# Altium PCB PCB1.PcbDoc (part 2 of 2)
Units mm, origin at the board's own origin, x right, y up, seen from the top; angles counter-clockwise.
Board outline 140.5 x 40 mm, 2 copper layers (Top Layer, Bottom Layer); 133 components, 92 nets, 449 pads, 230 vias.
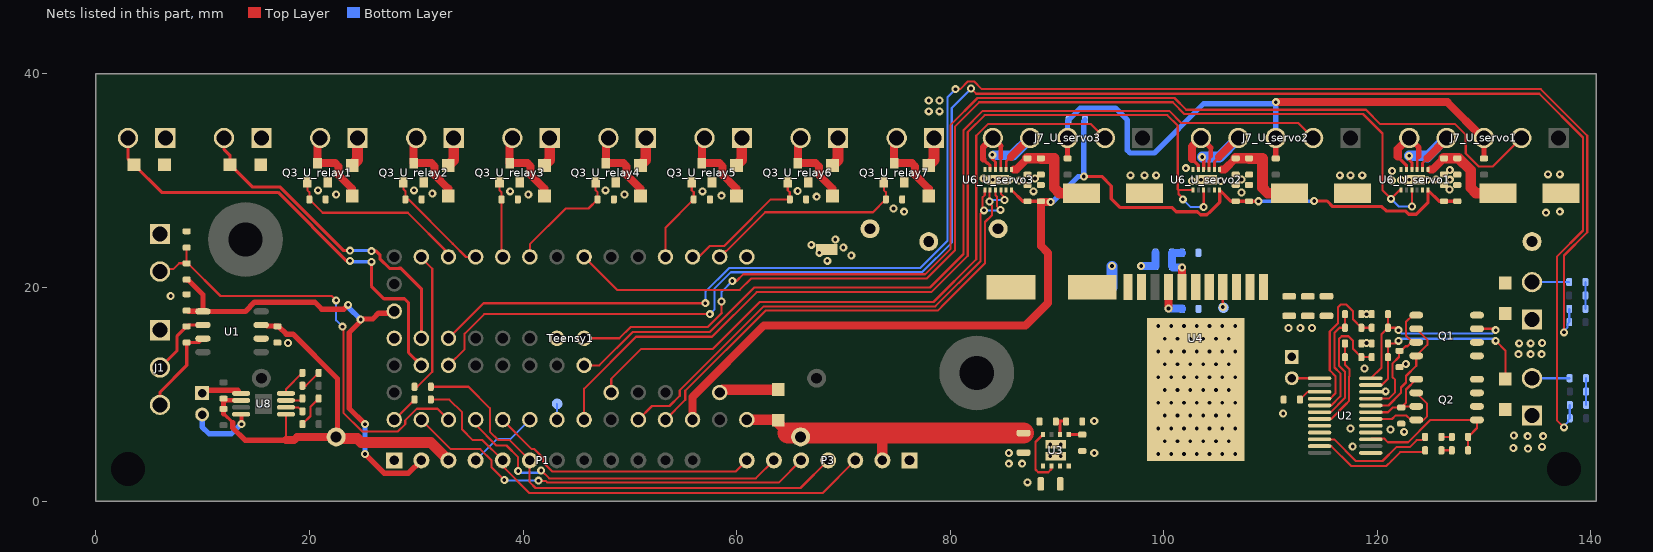
[diagram p2: the nets of this part, all layers, seen from the top]

## Via types
v1: diameter 0.75, hole 0.35, Top Layer to Bottom Layer, tented both sides, 226 vias
v2: diameter 0.7, hole 0.35, Top Layer to Bottom Layer, 4 vias

## Nets (pads, with @x,y where several pads share a name; then routed paths per layer and width w, separated by ;. In a path a pad name is that pad's centre, name@x,y a point inside that pad or via, vN(x,y) a via of type N, cw(c..) or ccw(c..) an arc to the next point about the centre after c; other vN are vias at no path point) (continued)
clutch_motor_a3: Teensy1.23/A9 U6_U_servo3.8 U6_U_servo3.10 | length 46.5
  Top Layer w0.2: Teensy1.23/A9@53.34,7.62 55.2,9.48 55.2,10.325 62.709,17.834 78.834,17.834 79.525,18.525 83.275,22.275 83.275,26.125 83.925,26.775 83.925,27.662 83.619,27.969 83.544,28.044 83.55,28.05 v1(83.7,28.05) 83.7,29.078 U6_U_servo3.8@83.75,29.128 ; U6_U_servo3.10@84.75,29.128 84.75,28.775 85.1,28.425 v1(85.1,28.2)
  Bottom Layer w0.2: v1(83.7,28.05) 83.85,28.2 v1(85.1,28.2)
clutch_motor_b1: Teensy1.5 U6_U_servo1.7 U6_U_servo1.9 | length 102.9
  Top Layer w0.2: Teensy1.5@45.72,22.86 48.805,19.775 60.294,19.775 61.36,20.841 77.829,20.841 80.45,23.463 80.45,35.059 82.732,37.341 100.846,37.341 101.938,36.25 118.675,36.25 120.5,34.425 120.5,29.1 v1(121.3,28.3) 122.128,29.128 U6_U_servo1.7@122.25,29.128 ; U6_U_servo1.9@123.25,29.128 123.256,29.122 v1(123.256,27.576)
  Bottom Layer w0.2: v1(121.3,28.3) 122.024,27.576 v1(123.256,27.576)
clutch_motor_b2: Teensy1.20/A6 U6_U_servo2.7 U6_U_servo2.9 | length 88.6
  Top Layer w0.2: Teensy1.20/A6@45.72,7.62 45.72,10.518 50.585,15.384 57.702,15.384 61.877,19.559 78.243,19.559 81.65,22.966 81.65,34.562 83.229,36.141 100.349,36.141 101.316,35.174 101.316,29.202 101.394,29.125 ; v1(101.8,28.25) 101.8,28.349 101.394,28.755 101.394,29.125 ; U6_U_servo2.7@102.75,29.128 101.397,29.128 101.394,29.125 ; U6_U_servo2.9@103.75,29.128 103.755,29.123 v1(103.755,27.526)
  Bottom Layer w0.2: v1(101.8,28.25) 102.524,27.526 v1(103.755,27.526)
clutch_motor_b3: Teensy1.22/A8 U6_U_servo3.7 U6_U_servo3.9 | length 49.1
  Top Layer w0.2: Teensy1.22/A8@50.8,7.62 52.08,8.9 53.725,8.9 54.675,9.85 54.675,10.366 62.543,18.234 78.615,18.234 82.85,22.469 82.85,26.9 v1(83.175,27.225) 83.025,27.375 83.025,28.425 83.25,28.65 U6_U_servo3.7@83.25,29.128 ; U6_U_servo3.9@84.25,29.128 84.25,28.637 84.377,28.51 84.377,27.623 v1(84.725,27.275)
  Bottom Layer w0.2: v1(83.175,27.225) 84.675,27.225 v1(84.725,27.275)
clutch_pot1: J7_U_servo1.2 Teensy1.A12 | length 109.9
  Top Layer w0.2: Teensy1.A12@45.72,15.24 49.015,15.24 50.08,16.305 57.305,16.305 58.613,17.612 58.6,17.625 v1(58.6,18.675) ; v1(59.6,20.6) 60,20.6 60.641,21.241 77.663,21.241 80.05,23.628 80.05,35.225 82.566,37.741 101.012,37.741 102.103,36.65 118.95,36.65 120.3,35.3 127.3,35.3 128.3,34.3 128.3,32.55 129.525,31.325 130.825,31.325 J7_U_servo1.2@133.5,34
  Bottom Layer w0.2: v1(58.6,18.675) 58.6,19.6 v1(59.6,20.6)
clutch_pot2: J7_U_servo2.2 Teensy1.A13 | length 86
  Top Layer w0.2: Teensy1.A13@45.72,12.7 47.15,12.7 50.275,15.825 57.475,15.825 61.65,20 78.119,20 81.25,23.131 81.25,34.728 83.063,36.541 100.515,36.541 101.656,35.4 112.6,35.4 J7_U_servo2.2@114,34
clutch_pot3: J7_U_servo3.2 Teensy1.A11 | length 64.7
  Top Layer w0.2: Teensy1.A11@48.26,10.16 48.26,11.435 51.075,14.25 57.8,14.25 62.184,18.634 78.449,18.634 82.45,22.634 82.45,34.218 83.532,35.3 93.2,35.3 J7_U_servo3.2@94.5,34
clutch_servo_en: JU5.1 JU5.2 Teensy1.19/A5 U4.4 | length 3.5
  Top Layer w0.2: v1(105.54,18.16) U4.4@105.54,20.04
  Bottom Layer w0.2: Teensy1.19/A5@43.18,7.62 43.18,9.08 JU5.2@43.2,9.1 ; v1(105.54,18.16) JU5.1@105.6,18.1
ext_ap_disc: C20.2 J8.2 R27.1 Teensy1.15/A1 | length 42.6
  Top Layer w0.2: J8.2@6,21.5 6.213,21.713 7.25,21.713 7.799,22.262 R27.1@8.5,22.262 ; C20.2@8.5,23.738 R27.1@8.5,22.262 ; v1(22.5,18.8) 22.1,19.2 11.664,19.2 8.602,22.262 R27.1@8.5,22.262 ; v1(23.101,16.326) 23.175,16.252 23.175,8.27 24.92,6.525 28.293,6.525 28.966,7.198 28.966,7.554 30.056,8.644 31.996,8.644 Teensy1.15/A1@33.02,7.62
  Bottom Layer w0.2: v1(22.5,18.8) 22.5,16.927 v1(23.101,16.326)
ext_ps_en1: D1_U_external_ps_en1.2 J2_U_external_ps_en1.2 Teensy1.28 | length 30.3
  Top Layer w0.3: J2_U_external_ps_en1.2@12,34 12,32.916 12.57,32.346 D1_U_external_ps_en1.2@12.57,31.5 14.67,29.4 17.267,29.4 23.216,23.451 v1(23.801,23.451) ; v1(25.8,23.4) 26.256,23.4 26.6,23.056 26.6,22.681 27.495,21.786 28.385,21.786 28.397,21.799 28.553,21.799 30.48,19.871 Teensy1.28@30.48,15.24
  Bottom Layer w0.3: v1(23.801,23.451) 25.749,23.451 v1(25.8,23.4)
ext_ps_en2: D1_U_external_ps_en2.2 J2_U_external_ps_en2.2 Teensy1.29 | length 41.5
  Top Layer w0.3: J2_U_external_ps_en2.2@3,34 3,32.07 D1_U_external_ps_en2.2@3.57,31.5 6.17,28.9 17.06,28.9 23.463,22.498 v1(23.8,22.498) ; v1(25.8,22.4) 25.8,20.125 26.975,18.95 28.9,18.95 29.275,18.575 29.275,13.905 Teensy1.29@30.48,12.7
  Bottom Layer w0.3: v1(23.8,22.498) 23.898,22.4 v1(25.8,22.4)
G1: Q1.2 Q1.4 U2.20 | length 10.8
  Top Layer w0.2: U2.20@119.4,8.952 121.053,8.952 122.227,10.127 122.227,10.627 122.7,11.1 122.7,11.704 123.655,12.659 Q1.4@123.655,13.595 124.7,14.64 124.7,15.09 Q1.2@123.655,16.135
G2: Q2.2 Q2.4 U2.18 | length 8.3
  Top Layer w0.2: U2.18@119.4,7.682 121.383,7.682 121.7,8 122.75,8 123.155,7.595 Q2.4@123.655,7.595 124.345,7.595 124.675,7.925 124.675,9.115 Q2.2@123.655,10.135
GND: C1.1 C2.1 C20.1 D1_U_external_ps_en1.1 D1_U_external_ps_en2.1 J1.1 J2_U_external_ps_en1.1 J2_U_external_ps_en2.1 J8.1 NT1.1 P1.1 P3.1 Teensy1.GND Teensy1.GND1 Teensy1.GND2 U1.2 | length 0.3
  Top Layer w0.8: Teensy1.GND@60.96,22.86 Teensy1.GND@61.1,23
  Top Layer w1: Teensy1.GND@60.96,22.86 Teensy1.GND@61.02,22.8
  other v1: 18,14.8 7,19.2 68.5,22.5 67.75,23.25 67,24
led_driver_le: P1.4 Teensy1.18/A4 | length 6.7
  Bottom Layer w0.2: P1.4@35.56,3.81 37.55,5.8 38.82,5.8 Teensy1.18/A4@40.64,7.62
mosi: P1.6 P3.4 R20.1 | length 44.7
  Top Layer w0.2: R20.1@31.362,10.7 34.9,10.7 36.9,8.7 36.9,6.5 37.7,5.7 38.75,5.7 P1.6@40.64,3.81 40.625,3.795 40.625,1.765 41.165,1.225 65.995,1.225 P3.4@68.58,3.81
NetC10_2: C10.2 U3.1 | length 1.3
  Top Layer w0.3: U3.1@91.1,6.225 92.362,6.225 C10.2@92.375,6.212
NetC13_2: C13.2 U4.8 | length 3.3
  Top Layer w0.75: v1(100.46,18.04) U4.8@100.46,20.04
  Bottom Layer w0.75: v1(100.46,18.04) 101.698,18.04 C13.2@101.738,18
NetC21_2: C21.2 R28.1 | length 2
  Top Layer w0.2: C21.2@19.338,10.8 19.662,10.8 R28.1@20.862,12
NetC23_2: C23.2 R29.1 | length 3
  Top Layer w0.2: C23.2@19.338,7.2 20.1,7.962 20.1,8.838 R29.1@20.862,9.6
NetC37_1: C37.1 U8.2 | length 1.7
  Top Layer w0.2: U8.2@17.8,8.775 18.963,8.775 C37.1@19.338,8.4
NetC43_1: C43.1 R17.1 R18.2 U4.7 | length 5.1
  Top Layer w0.75: U4.7@101.73,20.04 v1(101.73,21.87)
  Bottom Layer w0.75: R18.2@101.726,23.25 R17.1@100.762,23.25 C43.1@100.762,22 100.892,21.87 v1(101.73,21.87)
NetD4_U_relay1_1: D4_U_relay1.1 J6_U_relay1.2 Q3_U_relay1.2 | length 7.7
  Top Layer w0.75: J6_U_relay1.2@21,33.814 20.75,33.564 Q3_U_relay1.2@20.75,31.635 22.415,31.635 22.7,31.35 22.7,30.55 24,29.25 D4_U_relay1.1@24,28.57
NetD4_U_relay2_1: D4_U_relay2.1 J6_U_relay2.2 Q3_U_relay2.2 | length 7.7
  Top Layer w0.75: J6_U_relay2.2@30,33.814 29.75,33.564 Q3_U_relay2.2@29.75,31.635 31.415,31.635 31.7,31.35 31.7,30.55 33,29.25 D4_U_relay2.1@33,28.57
NetD4_U_relay3_1: D4_U_relay3.1 J6_U_relay3.2 Q3_U_relay3.2 | length 7.7
  Top Layer w0.75: J6_U_relay3.2@39,33.814 38.75,33.564 Q3_U_relay3.2@38.75,31.635 40.415,31.635 40.7,31.35 40.7,30.55 42,29.25 D4_U_relay3.1@42,28.57
NetD4_U_relay4_1: D4_U_relay4.1 J6_U_relay4.2 Q3_U_relay4.2 | length 7.7
  Top Layer w0.75: J6_U_relay4.2@48,33.814 47.75,33.564 Q3_U_relay4.2@47.75,31.635 49.415,31.635 49.7,31.35 49.7,30.55 51,29.25 D4_U_relay4.1@51,28.57
NetD4_U_relay5_1: D4_U_relay5.1 J6_U_relay5.2 Q3_U_relay5.2 | length 7.7
  Top Layer w0.75: J6_U_relay5.2@57,33.814 56.75,33.564 Q3_U_relay5.2@56.75,31.635 58.415,31.635 58.7,31.35 58.7,30.55 60,29.25 D4_U_relay5.1@60,28.57
NetD4_U_relay6_1: D4_U_relay6.1 J6_U_relay6.2 Q3_U_relay6.2 | length 7.7
  Top Layer w0.75: J6_U_relay6.2@66,33.814 65.75,33.564 Q3_U_relay6.2@65.75,31.635 67.415,31.635 67.7,31.35 67.7,30.55 69,29.25 D4_U_relay6.1@69,28.57
NetD4_U_relay7_1: D4_U_relay7.1 J6_U_relay7.2 Q3_U_relay7.2 | length 7.7
  Top Layer w0.75: J6_U_relay7.2@75,33.814 74.75,33.564 Q3_U_relay7.2@74.75,31.635 76.415,31.635 76.7,31.35 76.7,30.55 78,29.25 D4_U_relay7.1@78,28.57
NetD5_1: D5.1 Teensy1.VUSB | length 5.6
  Top Layer w1: Teensy1.VUSB@58.42,10.16 58.69,10.43 D5.1@63.9,10.43
NetD6_1: D6.1 R30.2 | length 1
  Top Layer w0.2: D6.1@126.012,6 R30.2@126.988,6
NetD6_2: D6.2 U2.10 | length 11.7
  Top Layer w0.2: U2.10@114.6,5.777 115.973,5.777 118,3.75 120.5,3.75 121.798,5.048 123.046,5.048 123.698,5.7 124.188,5.7 D6.2@124.488,6
NetD11_1: D11.1 R31.2 | length 1
  Top Layer w0.2: D11.1@126.012,4.75 R31.2@126.988,4.75
NetD11_2: D11.2 U2.11 | length 11.3
  Top Layer w0.2: U2.11@114.6,5.142 115.708,5.142 117.575,3.275 120.85,3.275 121.352,3.777 122.15,4.575 124.313,4.575 D11.2@124.488,4.75
NetJ1_2: J1.2 R1.1 U1.6 | length 6.5
  Top Layer w0.3: J1.2@6,12.5 7.6,14.1 7.6,15.462 R1.1@8.5,16.362 8.623,16.485 U1.6@10.025,16.485
NetJ1_3: J1.3 R1.2 U1.7 | length 8.6
  Top Layer w0.3: J1.3@6,9 6,10.2 8.5,12.7 R1.2@8.5,14.838 9.648,14.838 U1.7@10.025,15.215
NetJ5_2: J5.2 U2.1 | length 2.6
  Top Layer w0.2: J5.2@112,11.5 114.592,11.5 U2.1@114.6,11.492
NetJ7_U_servo1_4: J7_U_servo1.4 U6_U_servo1.2 U6_U_servo1.4 | length 9.8
  Top Layer w0.25: U6_U_servo1.2@124.25,31.046 124.25,31.646 124.715,32.11
  Top Layer w0.3: v1(123,32.325) 123,31.95 123.25,31.7 U6_U_servo1.4@123.25,31.046
  Top Layer w0.75: 124.715,32.11 126.502,33.898 J7_U_servo1.4@126.5,34 126.5,34.046 J7_U_servo1.4@126.45,34.046
  Top Layer w1: J7_U_servo1.4@126.273,34.046 J7_U_servo1.4@126.45,34.046
  Bottom Layer w1: v1(123,32.325) 124.579,32.325 124.679,32.225 J7_U_servo1.4@126.477,34.023
NetJ7_U_servo1_5: J7_U_servo1.5 U6_U_servo1.3 U6_U_servo1.5 | length 7.2
  Top Layer w0.25: U6_U_servo1.3@123.75,31.046 123.752,31.048 123.752,32.127 123.9,32.275
  Top Layer w0.3: 121.925,32.256 122.74,31.441 122.74,31.385 122.75,31.375 U6_U_servo1.5@122.75,31.046
  Top Layer w0.5: J7_U_servo1.5@122.977,34.023 J7_U_servo1.5@123,34 123.9,33.1 123.9,32.275
  Top Layer w0.75: 121.925,32.256 121.925,32.971 J7_U_servo1.5@122.977,34.023
NetJ7_U_servo2_4: J7_U_servo2.4 U6_U_servo2.2 U6_U_servo2.4 | length 9.5
  Top Layer w0.25: U6_U_servo2.2@104.75,31.046 104.755,31.051 104.755,31.801 105.19,32.235
  Top Layer w0.3: v1(103.605,32.227) 103.75,32.082 U6_U_servo2.4@103.75,31.046
  Top Layer w0.75: 105.19,32.235 106.977,34.023 107,34.046 J7_U_servo2.4@106.95,34.046
  Top Layer w1: J7_U_servo2.4@106.773,34.046 J7_U_servo2.4@106.95,34.046
  Bottom Layer w1: v1(103.605,32.227) 105.227,32.227 J7_U_servo2.4@107,34
NetJ7_U_servo2_5: J7_U_servo2.5 U6_U_servo2.3 U6_U_servo2.5 | length 7
  Top Layer w0.25: U6_U_servo2.3@104.25,31.046 104.25,31.882 104.305,31.937 104.305,32.246 104.334,32.275
  Top Layer w0.3: 102.65,32.05 103.25,31.45 U6_U_servo2.5@103.25,31.046
  Top Layer w0.43: 104.4,32.275 104.4,33.1
  Top Layer w0.5: J7_U_servo2.5@103.477,34.023 J7_U_servo2.5@103.5,34 104.4,33.1
  Top Layer w0.75: 102.65,32.05 102.65,33.196 J7_U_servo2.5@103.477,34.023
NetJ7_U_servo3_4: J7_U_servo3.4 U6_U_servo3.2 U6_U_servo3.4 | length 9.9
  Top Layer w0.25: U6_U_servo3.2@85.25,31.046 85.25,31.796 85.69,32.235
  Top Layer w0.3: v1(83.954,32.427) 83.954,32.046 84.25,31.75 U6_U_servo3.4@84.25,31.046
  Top Layer w0.75: 85.69,32.235 87.477,34.023 87.5,34.046 J7_U_servo3.4@87.45,34.046
  Top Layer w1: J7_U_servo3.4@87.273,34.046 J7_U_servo3.4@87.45,34.046
  Bottom Layer w0.3: v1(83.954,32.427) 83.983,32.398 v1@84.025,32.398
  Bottom Layer w0.9: v1@84.025,32.398 85.898,32.398
  Bottom Layer w1: 85.898,32.398 J7_U_servo3.4@87.5,34
NetJ7_U_servo3_5: J7_U_servo3.5 U6_U_servo3.3 U6_U_servo3.5 | length 7
  Top Layer w0.25: U6_U_servo3.3@84.75,31.046 84.752,31.048 84.752,32.127
  Top Layer w0.3: 83.1,32.025 83.479,31.646 83.535,31.646 83.74,31.441 83.74,31.385 83.75,31.375 U6_U_servo3.5@83.75,31.046
  Top Layer w0.43: 84.744,32.127 84.744,33.239 84.752,33.248
  Top Layer w0.5: J7_U_servo3.5@83.977,34.023 J7_U_servo3.5@84,34 84.752,33.248
  Top Layer w0.6: 83.1,32.025 83.079,32.046 83.079,33.125 J7_U_servo3.5@83.977,34.023
NetR5_2: R5.2 R9.1 R10.2 | length 2.5
  Bottom Layer w0.2: R9.1@139.5,20.5 R10.2@139.5,19.25 139.512,19.238 R5.2@139.512,18
NetR11_2: R11.2 U2.3 | length 2.1
  Top Layer w0.2: R11.2@112.762,9.5 113.485,10.222 U2.3@114.6,10.222
NetR12_2: R12.2 R13.1 R14.2 | length 2.5
  Bottom Layer w0.2: R13.1@139.55,11.5 139.562,11.488 R14.2@139.562,10.25 R12.2@139.562,9
NetR15_1: R15.1 R16.2 U3.2 | length 2.3
  Top Layer w0.3: R15.1@89.899,7.45 89.949,7.5 90.3,7.5 ; U3.2@90.3,6.225 90.3,7.5 ; R16.2@90.851,7.45 90.801,7.5 90.3,7.5
NetR20_2: R20.2 Teensy1.11 | length 13.4
  Top Layer w0.2: R20.2@29.838,10.7 30.1,10.7 31.504,12.104 31.504,21.763 30.48,22.787 Teensy1.11@30.48,22.86
NetR21_2: R21.2 Teensy1.13 | length 2.7
  Top Layer w0.2: Teensy1.13@27.94,7.62 27.958,7.62 R21.2@29.838,9.5
NetR28_2: R28.2 U8.4 | length 2.6
  Top Layer w0.2: U8.4@17.8,10.075 17.8,10.462 R28.2@19.338,12
NetR29_2: R29.2 U8.3 | length 1.6
  Top Layer w0.2: U8.3@17.8,9.425 19.163,9.425 R29.2@19.338,9.6
NetU8_5: U8.5 U9.1 | length 4
  Top Layer w0.4: 13.3,10.375 13.597,10.077 U8.5@13.6,10.077
  Top Layer w0.5: U9.1@9.95,10.1 9.95,10.375 13.3,10.375
NetU8_8: U8.8 U9.2 | length 6.6
  Top Layer w0.4: U8.8@13.6,8.125 13.626,8.099 v1(13.626,7.2)
  Top Layer w0.5: U9.2@9.95,7.942 U9.2@9.95,8.1
  Bottom Layer w0.5: U9.2@9.95,8.1 9.95,6.95 10.6,6.3 12.7,6.3 13.6,7.2 v1(13.626,7.2)
oled_cs: P3.7 Teensy1.17/A3 | length 25.6
  Top Layer w0.2: Teensy1.17/A3@38.1,7.62 38.1,7.581 40.821,4.86 41.075,4.86 41.9,4.035 41.9,3.605 42.745,2.76 59.91,2.76 P3.7@60.96,3.81
oled_dc: P3.6 Teensy1.16/A2 | length 32.1
  Top Layer w0.2: Teensy1.16/A2@35.56,7.62 35.56,7.14 37.5,5.2 38.45,5.2 39.542,4.108 v1(39.542,2.808) ; v1(41.7,2.85) 41.725,2.85 42.452,2.123 61.813,2.123 P3.6@63.5,3.81
  Bottom Layer w0.2: v1(39.542,2.808) 39.7,2.65 41.5,2.65 v1(41.7,2.85)
oled_rst: P3.5 Teensy1.14/A0 | length 39.2
  Top Layer w0.2: Teensy1.14/A0@30.48,7.62 33.24,4.86 35.995,4.86 37.049,3.805 37.049,3.176 v1(38.252,1.973) ; v1(41.452,1.9) 41.47,1.882 42.127,1.882 42.287,1.723 63.953,1.723 P3.5@66.04,3.81
  Bottom Layer w0.2: v1(38.252,1.973) 38.288,1.937 41.415,1.937 v1(41.452,1.9)
OV1: R3.1 R4.2 U2.5 | length 10.9
  Top Layer w0.2: U2.5@114.6,8.952 115.703,8.952 116.55,9.8 116.55,11.95 116,12.5 116,15.75 116.475,16.225 R3.1@116.988,16.225 R4.2@116.988,17.5
OV2: R7.1 R8.2 U2.7 | length 9
  Top Layer w0.2: U2.7@114.6,7.682 115.682,7.682 116.988,8.988 117.375,9.375 117.375,11.644 117.391,11.66 117.391,12.359 116.988,12.762 R7.1@116.988,13.475 R8.2@116.988,14.75
PGND: C3.1 C5.1 C7.2 C8.2 C9.1 C10.1 C13.1 C16.1 C18_U_servo1.1 C18_U_servo2.1 C18_U_servo3.1 C19_U_servo1.1 C19_U_servo2.1 C19_U_servo3.1 C22_U_servo1.2 C22_U_servo2.2 C22_U_servo3.2 C24_U_servo1.1 C24_U_servo2.1 C24_U_servo3.1 C25_U_servo1.2 C25_U_servo2.2 C25_U_servo3.2 C27.1 C40.1 C41.1 C42.1 C44.2 D2.1 D3.1 J3.1 J4.1 J5.1 JU3.1 JU3.2 NT1.2 Q3_U_relay1.3 Q3_U_relay2.3 Q3_U_relay3.3 Q3_U_relay4.3 Q3_U_relay5.3 Q3_U_relay6.3 Q3_U_relay7.3 R4.1 R8.1 R11.1 R16.1 R18.1 R19_U_relay1.1 R19_U_relay2.1 R19_U_relay3.1 R19_U_relay4.1 R19_U_relay5.1 R19_U_relay6.1 R19_U_relay7.1 U2.8 U2.9 U2.13 U2.16 U2.17 U2.22 U3.5 U3.9 U3.10 U4.3 U4.5 U4.6 U4.12 U6_U_servo1.6 U6_U_servo1.11 U6_U_servo1.13 U6_U_servo2.6 U6_U_servo2.11 U6_U_servo2.13 U6_U_servo3.6 U6_U_servo3.11 U6_U_servo3.13
  other v1: 87.25,1.75 85.5,3.5 86.75,3.5 99.5,4.4 100.7,4.4 101.9,4.4 103.1,4.4 104.3,4.4 105.5,4.4 106.7,4.4 85.5,4.5 93.5,4.5 134.125,4.9 132.75,4.975 135.425,5.075 117.7,5.1 100.1,5.6 101.3,5.6 102.5,5.6 103.7,5.6 104.9,5.6 106.1,5.6 134.1,6.075 135.55,6.075 132.8,6.125 122.525,6.475 121.25,6.7 99.5,6.8 100.7,6.8 101.9,6.8 103.1,6.8 104.3,6.8 105.5,6.8 106.7,6.8 117.5,6.8 93.5,7.5 100.1,8 101.3,8 102.5,8 103.7,8 104.9,8 106.1,8 111.2,8.2 99.5,9.2 100.7,9.2 101.9,9.2 103.1,9.2 104.3,9.2 105.5,9.2 106.7,9.2 120.8,10.275 100.1,10.4 101.3,10.4 102.5,10.4 103.7,10.4 104.9,10.4 106.1,10.4 99.5,11.6 100.7,11.6 101.9,11.6 103.1,11.6 104.3,11.6 105.5,11.6 106.7,11.6 118.8,12.4 100.1,12.8 101.3,12.8 102.5,12.8 103.7,12.8 104.9,12.8 106.1,12.8 122.675,12.825 133.225,13.75 134.375,13.75 135.4,13.75 99.5,14 100.7,14 101.9,14 103.1,14 104.3,14 105.5,14 106.7,14 133.3,14.775 134.375,14.775 119,14.8 135.45,14.8 100.1,15.2 101.3,15.2 102.5,15.2 103.7,15.2 104.9,15.2 106.1,15.2 111.7,16.2 112.8,16.2 113.9,16.2 99.5,16.4 100.7,16.4 101.9,16.4 103.1,16.4 104.3,16.4 105.5,16.4 106.7,16.4 119,17.5 70.75,23 70,23.75 69.25,24.5 135.8,27 75.7,27.1 137.1,27.1 74.7,27.4 67.5,28.5 58.6,28.6 22.5,28.7 40.5,28.7 49.5,28.7 31.5,28.8 107.3,28.9 38.8,29 56.8,29 87.809,29 65.725,29.025 20.8,29.1 29.8,29.1 47.725,29.1 126.775,29.175 102.65,29.962 105.35,29.962 121.4,30 86.475,30.025 85.575,30.05 122.225,30.075 124.675,30.075 84,30.1 84.8,30.1 103.5,30.1 104.4,30.1 123,30.1 123.8,30.1 126.8,30.1 107.3,30.118 125.5,30.125 83.15,30.212 87.941,30.2 96.9,30.5 98.2,30.5 99.3,30.5 116.5,30.5 117.5,30.5 118.6,30.5 136,30.6 137.1,30.6 121.4,30.9 126.8,31 102.08,31.177
  other v2: 89.375,4.2 90.375,4.2 89.375,5.3 90.375,5.3
rly1: Q3_U_relay1.1 R19_U_relay1.2 Teensy1.10 | length 17.1
  Top Layer w0.2: Q3_U_relay1.1@19.8,29.865 19.8,29.1 19.988,28.912 R19_U_relay1.2@19.988,28.25 21.238,27 29.2,27 33.02,23.18 Teensy1.10@33.02,22.86
rly2: Q3_U_relay2.1 R19_U_relay2.2 Teensy1.9 | length 10.5
  Top Layer w0.2: Q3_U_relay2.1@28.8,29.865 28.8,29.2 28.988,29.012 R19_U_relay2.2@28.988,28.25 29.275,28.25 33.424,24.101 34.665,22.86 Teensy1.9@35.56,22.86
rly3: Q3_U_relay3.1 R19_U_relay3.2 Teensy1.8 | length 7.1
  Top Layer w0.2: Q3_U_relay3.1@37.8,29.865 37.8,29.1 37.988,28.912 R19_U_relay3.2@37.988,28.25 37.988,22.972 Teensy1.8@38.1,22.86
rly4: Q3_U_relay4.1 R19_U_relay4.2 Teensy1.7 | length 11
  Top Layer w0.2: Teensy1.7@40.64,22.86 40.64,24.04 44,27.4 46.138,27.4 R19_U_relay4.2@46.988,28.25 46.988,28.912 46.8,29.1 Q3_U_relay4.1@46.8,29.865
rly5: Q3_U_relay5.1 R19_U_relay5.2 Teensy1.2 | length 8.2
  Top Layer w0.2: Teensy1.2@53.34,22.86 53.34,25.602 R19_U_relay5.2@55.988,28.25 55.988,28.912 55.8,29.1 Q3_U_relay5.1@55.8,29.865
rly6: Q3_U_relay6.1 R19_U_relay6.2 Teensy1.1 | length 13
  Top Layer w0.2: Teensy1.1@55.88,22.86 56.46,22.86 57.484,23.884 58.844,23.884 59.71,24.75 63.21,28.25 R19_U_relay6.2@64.988,28.25 64.988,28.912 64.8,29.1 Q3_U_relay6.1@64.8,29.865
rly7: Q3_U_relay7.1 R19_U_relay7.2 Teensy1.0 | length 19.5
  Top Layer w0.2: Teensy1.0@58.42,22.86 58.955,23.395 59.022,23.395 62.675,27.048 72.786,27.048 R19_U_relay7.2@73.988,28.25 73.988,28.912 73.8,29.1 Q3_U_relay7.1@73.8,29.865
sck: P1.5 P3.3 R21.1 | length 45.9
  Top Layer w0.2: R21.1@31.362,9.5 33.1,9.5 34.3,8.3 34.3,6.7 35.3,5.7 36.21,5.7 P1.5@38.1,3.81 38.1,3.25 40.6,0.75 68.06,0.75 P3.3@71.12,3.81
UV1: R2.1 R3.2 U2.4 | length 14.9
  Top Layer w0.2: U2.4@114.6,9.587 115.587,9.587 116.1,10.1 116.1,11.7 115.559,12.241 115.559,15.874 116.325,16.641 116.325,18.15 116.575,18.4 117.1,18.4 117.75,17.75 117.75,17 118.512,16.238 R3.2@118.512,16.225 R2.1@119.488,16.225
UV2: R6.1 R7.2 U2.6 | length 13.1
  Top Layer w0.2: U2.6@114.6,8.317 115.642,8.317 116.975,9.65 116.975,11.809 116.991,11.826 116.991,12.109 116.409,12.691 116.409,15.173 116.666,15.431 117.31,15.431 117.75,14.991 117.75,14.237 R7.2@118.512,13.475 R6.1@119.488,13.475
Vaircraft: C3.2 D2.2 D4_U_relay1.2 D4_U_relay2.2 D4_U_relay3.2 D4_U_relay4.2 D4_U_relay5.2 D4_U_relay6.2 D4_U_relay7.2 J3.2 J6_U_relay1.1 J6_U_relay2.1 J6_U_relay3.1 J6_U_relay4.1 J6_U_relay5.1 J6_U_relay6.1 J6_U_relay7.1 JU1.1 JU1.2 Q1.7 Q1.8 R2.2 R9.2 U2.24 | length 39.7
  Top Layer w0.2: U2.24@119.4,11.492 120.4,12.492 120.4,15.613 R2.2@121.012,16.225 ; C3.2@121.012,17.5 R2.2@121.012,16.225 ; v1(122,16) 121.775,16.225 R2.2@121.012,16.225 ; Q1.7@129.345,16.135 130.965,16.135 v1(131.1,16)
  Top Layer w1: D4_U_relay1.2@24,31.43 24.5,31.93 J6_U_relay1.1@24.5,33.689 ; D4_U_relay2.2@33,31.43 33.5,31.93 J6_U_relay2.1@33.5,33.689 ; D4_U_relay3.2@42,31.43 42.5,31.93 J6_U_relay3.1@42.5,33.689 ; D4_U_relay4.2@51,31.43 51.5,31.93 J6_U_relay4.1@51.5,33.689 ; D4_U_relay5.2@60,31.43 60.5,31.93 J6_U_relay5.1@60.5,33.689 ; D4_U_relay6.2@69,31.43 69.5,31.93 J6_U_relay6.1@69.5,33.689 ; D4_U_relay7.2@78,31.43 78.5,31.93 J6_U_relay7.1@78.5,33.689
  Bottom Layer w0.2: v1(122,16) 122.325,15.675 130.775,15.675 v1(131.1,16) ; J3.2@134.5,20.5 R9.2@137.976,20.5
  other v1: 78,36.5 79,36.5 78,37.5 79,37.5
Vbackup: C5.2 D3.2 J4.2 Q2.7 Q2.8 R6.2 R13.2 U2.23 | length 23
  Top Layer w0.2: U2.23@119.4,10.857 120.407,10.857 121.012,11.462 R6.2@121.012,13.475 C5.2@121.012,14.75 121.75,14.75 v1(122,15) ; v1(131.1,15) 132,14.1 D3.2@132,11.43
  Bottom Layer w0.2: v1(122,15) 122.2,15.2 130.9,15.2 v1(131.1,15) ; J4.2@134.5,11.5 R13.2@138.026,11.5
VCC_3.3_T: C2.2 C24_U_servo1.2 C24_U_servo2.2 C24_U_servo3.2 C25_U_servo1.1 C25_U_servo2.1 C25_U_servo3.1 L1.1 P1.2 R27.2 Teensy1.3.3V Teensy1.3.3V1 U1.5 U6_U_servo1.12 U6_U_servo2.12 U6_U_servo3.12 | length 150.3
  Top Layer w0.3: U6_U_servo3.12@85.75,29.128 86.803,28.075 C24_U_servo3.2@87.25,28.075 C25_U_servo3.1@88.5,28.075 v1@89.5,28.075 ; v1(92.525,30.4) 94.2,30.4 95.1,29.5 95.1,28.3 95.9,27.5 100.775,27.5 101.175,27.1 103.156,27.1 103.455,26.801 104.055,26.801 104.354,27.1 105.25,27.996 U6_U_servo2.12@105.25,29.128 106.303,28.075 C24_U_servo2.2@106.75,28.075 C25_U_servo2.1@108,28.075 v1(108.875,28.075) ; v1(114.1,28.1) 115.305,28.1 115.83,27.575 120.434,27.575 120.834,27.175 122.632,27.175 122.956,26.851 123.677,26.851 124.75,27.925 U6_U_servo1.12@124.75,29.128 125.803,28.075 C24_U_servo1.2@126.25,28.075 C25_U_servo1.1@127.5,28.075
  Top Layer w0.5: C2.2@8.5,17.838 8.602,17.838 8.665,17.774 9.998,17.774 10.025,17.801 10.025,19.315 8.602,20.738 R27.2@8.5,20.738 ; U1.5@10.025,17.755 13.989,17.755 14.859,18.625 20.497,18.625 21.147,17.975 23.225,17.975 v1(23.625,18.375) ; v1(25.2,4.4) 26.99,2.61 29.28,2.61 P1.2@30.48,3.81 ; v1(25.2,7.2) 23.726,8.674 23.726,15.784 24.8,16.858 v1(24.8,17) 24.839,17.039 25.925,17.039 26.484,17.599 27.759,17.599 Teensy1.3.3V1@27.94,17.78
  Top Layer w0.75: Teensy1.3.3V@55.88,7.62 55.88,9.755 62.55,16.425 87.05,16.425 89.175,18.55 89.175,23.225 88.5,23.9 88.5,28 v1(89.425,28)
  Bottom Layer w0.3: v1(108.875,28.075) 114.075,28.075 v1(114.1,28.1)
  Bottom Layer w0.5: v1(23.625,18.375) 23.625,18.175 v1(24.8,17) ; v1(25.2,4.4) v1(25.2,7.2) ; v1(89.425,28) 89.6,28 92,30.4 v1(92.525,30.4) 92.525,35.591 L1.1@92.634,35.7
VCC_5: C1.2 C16.2 C38.1 C39.1 D5.2 JU2.1 JU2.2 P1.3 P3.2 R15.2 Teensy1.VIN U1.3 U3.4 U3.6 U8.1 U8.6 | length 77.7
  Top Layer w0.2: 17.8,6 U8.1@17.8,8.125 ; U3.4@88.7,6.225 88,5.525 88,2.95 88.25,2.7 89.2,2.7 89.5,3 U3.6@89.5,3.275
  Top Layer w0.3: 11.95,8.182 11.969,8.182 12.801,7.351
  Top Layer w0.4: C39.1@12.113,9.425 U8.6@13.6,9.425
  Top Layer w0.5: 11.95,8.182 C38.1@11.95,8.624 C39.1@11.95,9.588 C39.1@12.113,9.425 ; 12.801,7.351 12.801,6.859 13.962,5.698 17.8,5.698 ; U1.3@15.475,16.485 15.927,16.485 16.021,16.391 16.971,16.391 C1.2@17,16.362 17.102,16.362 17.839,15.625 18.452,15.625 22.625,11.452 22.625,6.03 JU2.2@22.595,6
  Top Layer w0.75: 17.8,5.698 18.55,5.698 18.852,6 JU2.2@22.5,6
  Top Layer w1: JU2.2@22.595,6 22.744,5.851 24.463,5.851 24.839,5.475 31.355,5.475 P1.3@33.02,3.81 ; Teensy1.VIN@60.96,7.62 D5.2@63.85,7.62 ; D5.2@63.9,7.57 D5.2@63.85,7.62 ; 64.836,6.364 63.85,7.35 D5.2@63.85,7.62 ; P3.2@73.66,3.81 73.66,6.324 73.7,6.364
  Top Layer w2: 64.836,6.364 JU2.1@66,6.364 ; JU2.1@66.364,6.364 73.7,6.364 C16.2@86.875,6.364
VCC_PP: C9.2 C40.2 C41.2 C42.2 Q1.5 Q1.6 Q2.5 Q2.6 R30.1 R31.1 U2.15 U3.7 U3.8 U4.1 U4.2 | length 14.2
  Top Layer w0.2: U2.15@119.4,5.777 119.475,5.852 120.648,5.852 121,5.5 122.9,5.5 124.995,7.595 Q2.5@129.345,7.595 129.345,6.833 R30.1@128.512,6 R31.1@128.512,4.75
VCC_SERVO: C18_U_servo1.2 C18_U_servo2.2 C18_U_servo3.2 C19_U_servo1.2 C19_U_servo2.2 C19_U_servo3.2 C22_U_servo1.1 C22_U_servo2.1 C22_U_servo3.1 C27.2 C43.2 C44.1 R17.2 U4.10 U4.11 U6_U_servo1.1 U6_U_servo2.1 U6_U_servo3.1 | length 33.1
  Top Layer w0.75: 85.965,31.046 86.197,31.046 C18_U_servo3.2@87.25,32.099 ; 105.473,31.046 105.697,31.046 C18_U_servo2.2@106.75,32.099 ; 124.973,31.046 125.197,31.046 C18_U_servo1.2@126.25,32.099
  Top Layer w1: C18_U_servo3.2@87.25,32.099 C19_U_servo3.2@88.5,32.099 88.524,32.075 89.75,32.075 89.75,29.325 90.25,28.825 C22_U_servo3.1@92.3,28.825 ; C18_U_servo2.2@106.75,32.099 C19_U_servo2.2@108,32.099 108.024,32.075 109.25,32.075 109.25,29.325 109.75,28.825 C22_U_servo2.1@111.8,28.825 ; C18_U_servo1.2@126.25,32.099 C19_U_servo1.2@127.5,32.099 127.62,32.099 128.75,30.969 128.75,29.325 129.25,28.825 C22_U_servo1.1@131.3,28.825
  Bottom Layer w0.75: v1(97.9,22) C43.2@99.238,22 R17.2@99.238,23.25
  Bottom Layer w1: C27.2@95.164,20 v1(95.164,22)
VCCA: C26_U_servo1.1 C26_U_servo2.1 C26_U_servo3.1 J7_U_servo1.3 J7_U_servo2.3 J7_U_servo3.3 L1.2 | length 56.9
  Top Layer w0.5: C26_U_servo3.1@91,32.087 J7_U_servo3.3@91,34 J7_U_servo3.3@91,34.046 ; C26_U_servo2.1@110.5,32.087 J7_U_servo2.3@110.5,34 ; C26_U_servo1.1@130,32.087 J7_U_servo1.3@130,34
  Top Layer w0.75: v1(110.5,37.35) 126.564,37.35 129.869,34.046 J7_U_servo1.3@130,34.046
  Bottom Layer w0.5: J7_U_servo3.3@91,34 91,35.59 L1.2@91.11,35.7 92.2,36.79 95.485,36.79 96.6,35.675 96.6,35.136 96.6,32.864 96.864,32.6 99.136,32.6 103.755,37.219 110.369,37.219 v1(110.5,37.35) J7_U_servo2.3@110.5,34
VS1: C7.1 Q1.1 Q1.3 U2.21 | length 12.1
  Top Layer w0.2: U2.21@119.4,9.587 121.097,9.587 121.681,10.171 121.681,11.359 121.419,11.621 121.419,12.86 122.042,13.483 122.042,14.004 C7.1@122.1,14.062 122.223,14.062 122.657,14.496 122.834,14.496 123.152,14.814 Q1.3@123.376,14.814 ; Q1.3@123.655,14.865 123.325,14.865 122.7,15.49 122.7,16.78 123.325,17.405 Q1.1@123.655,17.405
VS2: C8.1 Q2.1 Q2.3 U2.19 | length 7.6
  Top Layer w0.2: U2.19@119.4,8.317 121.018,8.317 121.462,8.762 C8.1@122.25,8.762 C8.1@122.353,8.865 ; Q2.3@123.655,8.865 C8.1@122.353,8.865 ; Q2.1@123.655,11.405 122.7,10.45 122.7,9.212 C8.1@122.353,8.865
vs_aircraft: C4.2 R5.1 Teensy1.27 | length 149
  Top Layer w0.2: Teensy1.27@33.02,15.24 36.305,18.525 v1(57.075,18.525) ; v1(80.5,38.575) 80.957,38.575 81.682,39.3 82.242,39.3 82.967,38.575 135.315,38.575 139.675,34.215 139.675,25.175 137.5,23 v1(137.5,15.8)
  Bottom Layer w0.2: v1(57.075,18.525) 57.075,19.595 59.305,21.825 77.207,21.825 79.75,24.369 79.75,37.825 v1(80.5,38.575) ; v1(137.5,15.8) 137.5,15.949 137.833,16.282 137.833,16.595 C4.2@137.988,16.75 R5.1@137.988,18
vs_backup: C6.2 R12.1 Teensy1.30 | length 159
  Top Layer w0.2: Teensy1.30@33.02,12.7 34.536,14.216 34.536,15.664 36.372,17.5 v1(57.5,17.5) ; v1(81.962,38.625) 82.446,38.141 135.183,38.141 139.275,34.049 139.275,25.341 136.825,22.891 136.825,7.575 v1(137.5,6.9)
  Bottom Layer w0.2: v1(57.5,17.5) 57.925,17.925 57.925,19.88 59.47,21.425 77.372,21.425 80.15,24.203 80.15,36.813 v1(81.962,38.625) ; v1(137.5,6.9) 137.5,7.049 137.883,7.432 137.883,7.595 C6.2@138.038,7.75 R12.1@138.038,9
pads on no net: Teensy1.3.3V2 Teensy1.12 Teensy1.A10 Teensy1.AREF Teensy1.PGM Teensy1.VBAT U1.8 U2.2 U2.12 U2.14 U3.3 U4.9

## Polygon pours and split planes (outlines as drawn)
GND on Top Layer "GND_L01_P025" (solid, pour order 25): 0,0 0,40 140.5,40 140.5,0
PGND on Top Layer "PGND_L01_P023" (solid, pour order 23): 18.5,40 18.5,26 66.5,26 74,18.5 74,11 85,0 140.5,0 140.5,40
AGND on Top Layer "AGND_L01_P020" (solid, pour order 20): 9,5.5 20,5.5 22,7.5 22,12.5 9,12.5
VCC_PP on Top Layer "VCC_PP_L01_P016" (solid, pour order 16): 125,7 121,3 92,3 91.5,3.5 89.578,3.5 89.578,0.5 131.5,0.5 131.5,7
Vaircraft on Top Layer "Top- Vccaircraft" (solid, pour order 12): 80,32.5 80,39 23,39 23,32.5
VCC_PP on Top Layer "VCC_PP_L01_P008" (solid, pour order 8): 128.5,9.25 130.5,9.25 130.5,7 125,7 125,18.5 116,18.5 109,18.5 107.5,18.5 107.5,21.9 128.5,21.9 128.5,15.25 130.5,15.25 130.5,13.25 128.5,13.25
Vbackup on Top Layer "VBACKUP_L01_P006" (solid, pour order 6): 136.5,13 131.5,13 130.5,12 128.5,12 128.5,9.75 130.75,9.75 131,10 136.5,10
Vaircraft on Top Layer "VAIRCRAFT_L01_P004" (solid, pour order 4): 131.5,19 136.5,19 136.5,25.5 132.3,25.5 128.5,21.7 128.5,15.75 130.53,15.75 130.53,18.03
VCC_SERVO on Top Layer "VCC_SERVO_L01_P002" (solid, pour order 2): 90.5,30 90.5,18.5 98.5,18.5 98.5,22 129.5,22 133,25.5 133,30 129.5,30 129.5,27.5 113.5,27.5 113.5,30 110,30 110,27.5 94,27.5 94,30
GND on Bottom Layer "GND_L02_P024" (solid, pour order 24): 0,0 0,40 140.5,40 140.5,0
PGND on Bottom Layer "PGND_L02_P021" (solid, pour order 21): 18.5,40 18.5,26 66.5,26 74,18.5 74,11 85,0 140.5,0 140.5,40
AGND on Bottom Layer "AGND_L02_P018" (solid, pour order 18): 9,5.5 20,5.5 22,7.5 22,12.5 9,12.5
Vaircraft on Bottom Layer "Bottom Layer-Vccaircraft" (solid, pour order 14): 76.7,22.9 79.9,22.9 79.9,38.4 76.7,38.4

## Keep-outs
Keep-Out Layer:
  the board outline again, w0.01

## Other copper
Top Layer:
  region net VCC_5: 86.9,7.4 87.344,7.844 88.9,7.844 88.9,6 88.5,6 87.9,5.4 86.9,5.4

## Silkscreen, mask and mechanical layers (free items; w line width, h text height)
Top Overlay:
  text "ACAP MQP / The Safety Officer" at 5.025,0.6 h2.5
Bottom Overlay:
  text "ACAP MQP / The Safety Officer" at 132.75,4.5 h2.8
  text "main board - cos v3" at 132.75,3.5 h1

## Dimensions
0,0 to 60.96,3.81 on Mechanical 5
0,0 to 27.94,3.81 on Mechanical 5